# Altium PCB TINYMODULE-V3.PcbDoc (part 2 of 2)
Units mil, origin at the board's own origin, x right, y up, seen from the top; angles counter-clockwise.
Board outline 838.58 x 1232.28 mil, 6 copper layers (Top Layer, GND, Mid-Layer 1, Mid-Layer 2, PWR, Bottom Layer), stack 54.97 mil thick; 84 components, 63 nets, 426 pads, 262 vias.
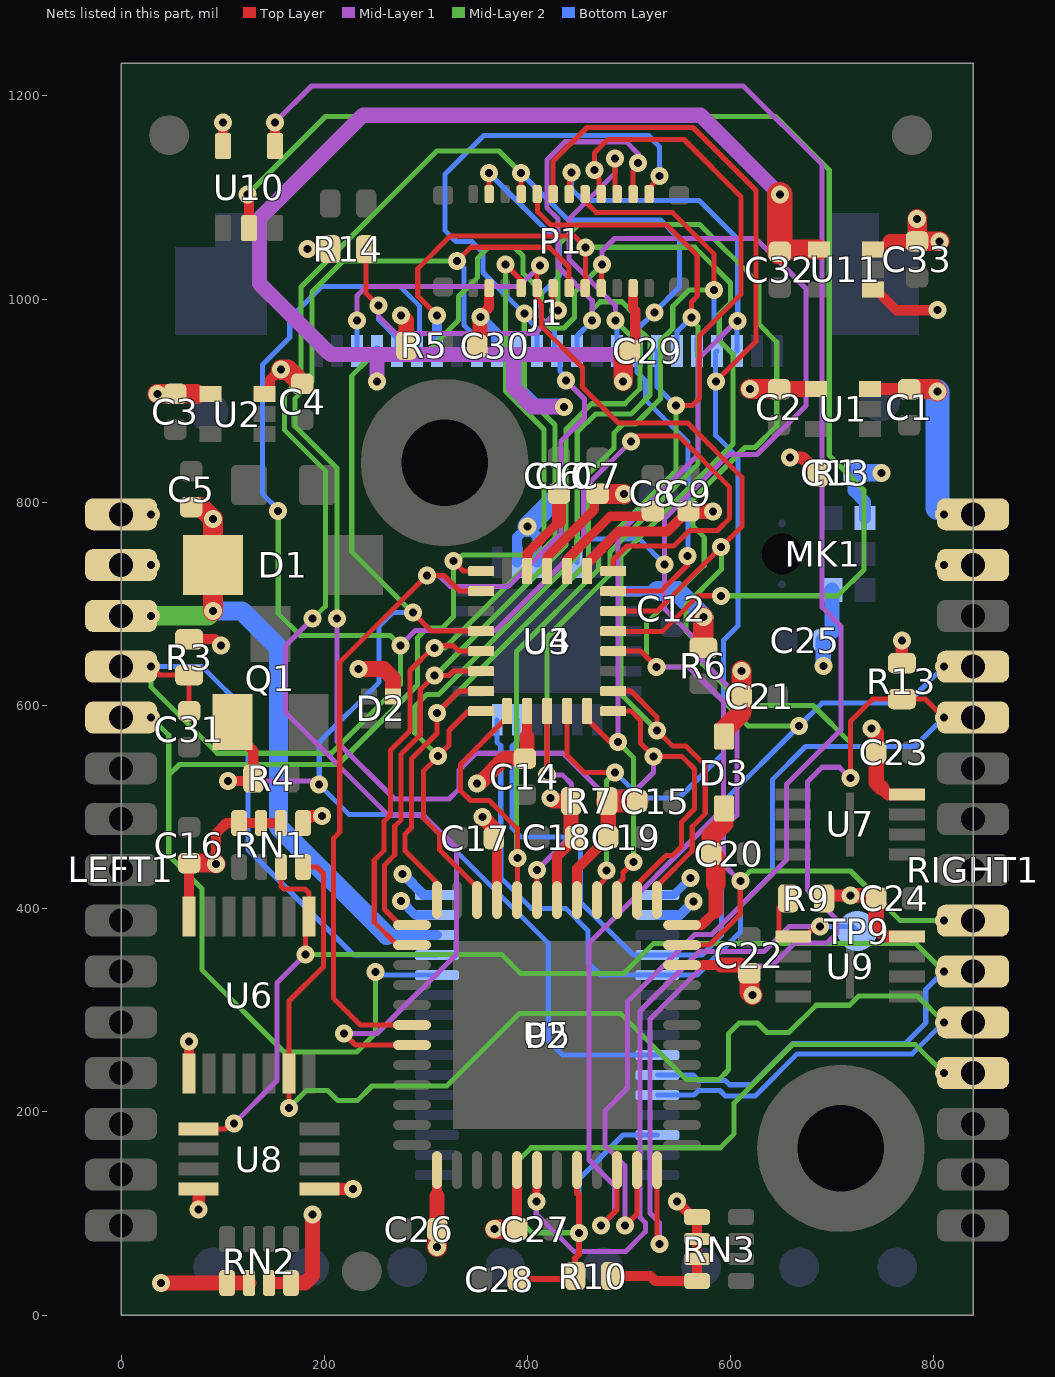
[diagram p6: the nets of this part, all layers, seen from the top]

## Via types
v1: diameter 17.72, hole 7.87, Top Layer to Bottom Layer, tented both sides, 262 vias

## Nets (pads, with @x,y where several pads share a name; then routed paths per layer and width w, separated by ;. In a path a pad name is that pad's centre, name@x,y a point inside that pad or via, vN(x,y) a via of type N, cw(c..) or ccw(c..) an arc to the next point about the centre after c; other vN are vias at no path point) (continued)
NetU3_23: U3.23 U10.2 | length 1339.3
  Top Layer w5: U3.23@484.25,673.23 484.48,673 533,673 568,708 v1(590.64,708)
  Top Layer w9.84: v1(124.5,1102.98) 125.98,1101.5 U10.2@125.98,1069.89
  Mid-Layer 2 w5: v1(124.5,1102.98) 201.25,1179.73 644.22,1179.73 697,1126.96 697,846 731.09,811.91 731.09,733.66 705.43,708 v1(590.64,708)
PIX_RESET_N: C31.1 J1.6 LEFT1.4 P2.8 R3.2 U3.26 | length 2183.3
  Top Layer w5: v1(29.55,638.19) 37.81,629.93 R3.2@66.92,629.93 C31.1@66.92,594.49 ; U3.26@484.25,732.28 484.25,743.25 498,757 544,757 559.36,772.36 587.07,772.36 599,784.29 599,814.93 548.53,865.41 507.41,865.41 v1(502,860)
  Mid-Layer 1 w5: v1(274.82,658.96) 289.87,674 369,674 455,760 455,813 v1(502,860)
  Mid-Layer 2 w5: v1(29.55,638.19) 29.55,618.01 94.56,553 207,553 274.82,620.82 v1(274.82,658.96) 264.75,669.03 175.97,669.03 154.64,690.36 v1(154.64,791.27)
  Bottom Layer w5: v1(29.55,638.19) 79.81,638.19 125,593 125,458.19 228.85,354.34 P2.8@310.83,354.33 ; v1(154.64,791.27) 154.64,792.84 139,808.48 139,935.12 166,962.12 166,981 197.26,1012.26 274.72,1012.26 293.9,993.08 293.9,959.54 291.34,956.98 J1.6@291.34,948.82
PIX_VDD28: C8.2 U3.2 | length 115.6
  Top Layer w9.24: U3.2@438.97,732.29 438.97,743.71 481.44,786.17 518.25,786.17 C8.2@523.42,791.35
PROG_FLASH: P2.21 RIGHT1.11 RN1.4 U6.6 | length 1375.1
  Top Layer w5: v1(165.35,204.06) 165.35,309.06 199.19,342.9 199.19,434.67 192.91,440.95 RN1.4@179.14,440.95
  Mid-Layer 2 w5: v1(165.35,204.06) 182.35,221.06 203.42,221.06 213.42,211.06 232.42,211.06 246.92,225.56 320.56,225.56 392.06,297.06 491.22,297.06 556.58,231.7 588.2,231.7 597.78,241.28 597.78,276.92 608.32,287.46 626.42,287.46 635.82,278.06 657.22,278.06 684.17,305 717,305 726.06,314.06 783.85,314.06 v1(809.72,288.19)
  Bottom Layer w5: P2.21@527.76,216.54 563.91,216.54 568.43,221.06 589.42,221.06 594.72,215.76 624.12,215.76 665.52,257.16 778.69,257.16 v1(809.72,288.19)
PROGN: P2.19 RIGHT1.10 RN1.3 U6.8 U8.5 | length 1355.7
  Top Layer w5: U8.5@76.38,183.08 102.2,183.08 107.58,188.46 v1(111,188.46) ; RN1.3@157.48,440.95 157.48,422.31 160.41,419.38 181.08,419.38 185.03,415.43 U6.8@185.04,392.12 181.42,388.5 v1(181.42,355.06) v1@181.42,354.28
  Mid-Layer 1 w5: v1(111,188.46) 153.42,230.88 153.42,327.06 v1(181.42,355.06)
  Mid-Layer 2 w5: v1(181.42,355.06) 374.42,355.06 393.42,336.06 494.42,336.06 524.27,365.91 782,365.91 v1(809.72,338.19)
  Bottom Layer w5: P2.19@527.76,236.22 563.25,236.23 568.42,231.06 594.42,231.06 598.72,226.76 620.45,226.76 661.15,267.46 771.93,267.46 792,287.53 792,320.46 v1(809.72,338.19)
PX_CLK: J1.17 P1.16 U3.25 U5.43 | length 1929.2
  Top Layer w5: v1(219.42,277.06) 230.73,265.75 U5.43@286.42,265.75 ; P1.16@393.7,1103.35 v1(393.7,1124.06) ; U3.25@484.25,712.6 531.73,712.6 558,738.87 558,746.71 v1(557.64,747.07)
  Mid-Layer 1 w5: v1(188.42,685.39) 162,658.96 162,593 263,492 298,492 330.18,459.82 330.18,355.28 251.96,277.06 v1(219.42,277.06)
  Mid-Layer 2 w5: v1(188.42,685.39) 188.75,685.39 201,697.63 201,831 161,871 161,906.14 177,922.14 177,1012 310.73,1145.73 372.03,1145.73 v1(393.7,1124.06)
  Bottom Layer w5: v1(393.7,1124.06) 439.76,1078 530.86,1078 549.72,1059.14 549.72,1011.85 v1(524.92,987.06) 507.87,970.01 J1.17@507.87,948.82 507.87,928.13 516.02,919.98 516.02,900.98 557.93,859.07 557.93,747.36 v1(557.64,747.07)
PX_FV: J1.7 P1.5 U3.20 U5.25 | length 1261.3
  Top Layer w5: v1(311.02,984.06) 292,1003.08 292,1030 324,1062 446,1062 v1(457,1051) 457,1011.13 P1.5@456.69,1010.83 ; U3.20@484.25,614.17 501.82,614.18 527.56,588.44 v1(527.56,575.48) 543.05,560 556,560 574.92,541.08 574.92,493.56 562.12,480.76 562.12,456.95 527.56,422.39 U5.25@527.56,408.47
  Mid-Layer 2 w5: v1(457,1051) 564.62,1051 599.78,1015.83 599.78,996.52 588.72,985.46 588.72,959.36 602.32,945.76 602.32,857.32 492,747 492,611.05 v1(527.56,575.48)
  Bottom Layer w10: J1.7@311.02,948.82 v1(311.02,984.06)
PX_LV: J1.9 P1.6 U3.19 U5.26 | length 1540.7
  Top Layer w5: v1(330.62,1037.46) 344.22,1051.06 421.42,1051.06 440.94,1031.54 P1.6@440.95,1010.83 ; U3.19@484.25,594.49 502,594.49 511.21,585.29 511.21,562.79 v1(524,550) 551.86,550 564.42,537.43 564.42,498.06 551.52,485.16 551.52,461.16 542.86,452.49 536.46,452.49 533.3,449.33 510.3,426.33 510.3,425.98 507.87,423.56 U5.26@507.87,408.47
  Mid-Layer 1 w5: v1(212.6,685.39) 212.6,564.4 269,508 322.64,508 332.78,518.13 332.78,536.42 349.36,553 434.77,553 473.02,514.76 504.76,514.76 524,534 v1(524,550)
  Mid-Layer 2 w5: v1(212.6,685.39) 212.6,833.54 171,875.14 171,902 188,919 188,1007 218.46,1037.46 v1(330.62,1037.46)
  Bottom Layer w5: v1(330.62,1037.46) 337.38,1030.7 337.38,974.41 346.99,964.8 346.99,952.22 J1.9@350.39,948.82
PXD0: J1.19 P1.17 U3.16 U5.31 | length 1028.7
  Top Layer w5: v1(409.28,437.98) 409.36,437.89 409.36,408.56 U5.31@409.45,408.47 ; P1.17@409.45,1103.35 410,1102.8 410,1086 423,1073 537,1073 567.07,1042.93 567.07,1002.87 561.42,997.23 v1(561.42,982.06) ; v1(419.14,531.77) 419.14,594.33 U3.16@419.29,594.49
  Mid-Layer 1 w5: v1(409.28,437.98) 443.42,472.13 443.42,522.63 434.28,531.77 v1(419.14,531.77)
  Mid-Layer 2 w5: v1(419.14,531.77) 419.14,666.83 481,728.69 481,751 568,838 568,972.77 561.42,979.35 v1(561.42,982.06)
  Bottom Layer w5: J1.19@547.24,948.82 547.24,967.88 v1(561.42,982.06)
PXD1: J1.21 P1.18 U3.17 U5.28 | length 1253.6
  Top Layer w5: P1.18@425.2,1103.35 425.2,1135.59 458.61,1169 563,1169 625,1107 625,958.47 v1(585.58,919.06) ; U3.17@438.97,594.49 438.97,551.08 455.8,534.26 v1(486.28,534.26) ; U5.28@468.5,408.47 468.5,421.32 475.26,428.08 475.26,435.38 v1(477.69,437.82)
  Mid-Layer 2 w5: v1(477.69,437.82) 477.69,525.67 v1(486.28,534.26)
  Bottom Layer w5: v1(486.28,534.26) 511.48,509.06 549.06,509.06 593,553 593,664.24 607,678.24 607,844.08 585.21,865.87 585.21,918.69 v1(585.58,919.06) 585.21,919.43 585.21,947.42 J1.21@586.61,948.82
PXD2: J1.22 P1.19 U3.18 U5.27 | length 1014
  Top Layer w5: P1.19@440.95,1103.35 441.56,1103.96 441.56,1123.25 v1(443.13,1124.83) ; U3.18@458.66,594.49 458.66,586.62 481.28,564 v1(489,564) ; U5.27@488.19,408.47 488.19,423.83 493.92,429.56 493.92,435.56 v1(504.42,446.06)
  Mid-Layer 1 w5: v1(489,564) 489,768 568,847 568,940.75 605.68,978.43 v1(606.93,978.43)
  Mid-Layer 2 w5: v1(489,564) 504.42,548.58 v1(504.42,446.06)
  Bottom Layer w5: v1(443.13,1124.83) 443.13,1108.66 454.79,1097 569,1097 606.93,1059.07 v1(606.93,978.43) ; J1.22@606.3,948.82 v1@606.3,979.06
PXD3: J1.20 P1.20 U3.12 U5.36 | length 1071
  Top Layer w5: U5.36@311.02,408.47 311.02,425.47 279.42,457.07 279.42,473.36 285.92,479.86 285.92,547.56 310.92,572.56 v1(310.92,592.56) 332.54,614.18 U3.12@354.33,614.17 ; P1.20@456.69,1103.35 458.92,1101.12 458.92,1094.07 467.57,1085.41 542.59,1085.41 583.42,1044.58 v1(583.42,1009.06)
  Mid-Layer 2 w5: v1(310.92,592.56) 460,741.63 460,828 485,853 485,868 494,877 506.19,877 531,901.81 531,959 543,971 543,992.73 559.32,1009.06 v1(583.42,1009.06)
  Bottom Layer w5: J1.20@566.93,948.82 566.93,961.57 583.42,978.06 v1(583.42,1009.06)
PXD4: J1.18 P1.21 U3.14 U5.32 | length 1268.7
  Top Layer w5: U3.14@379.92,594.49 379.92,588.16 334.07,542.3 334.07,516.18 343.79,506.46 362.26,506.46 390,478.72 390,408.7 U5.32@389.76,408.47 ; P1.21@472.44,1103.35 470.22,1105.57 470.22,1118.99 465.76,1123.45 465.76,1143.76 479,1157 554,1157 610,1101 610,1004.63 569.23,963.86 569.23,902.49 562.19,895.46 546.13,895.46 v1(546.03,895.37)
  Mid-Layer 2 w5: v1(390,450) 389.07,450.93 389.07,653.07 470,734 470,755 546.03,831.03 v1(546.03,895.37)
  Bottom Layer w5: J1.18@527.56,948.82 527.56,913.72 545.91,895.37 v1(546.03,895.37)
  other v1: 465.76,1126.89
PXD5: J1.16 P1.22 U3.11 U5.37 | length 1059.3
  Top Layer w5: U5.37@286.42,383.86 274.5,383.86 259.22,399.14 259.22,442.86 269.37,453.01 269.37,481.2 275.32,487.15 275.32,551.76 294.42,570.86 294.42,615.56 v1(308.32,629.46) 322.77,629.46 327.17,633.86 U3.11@354.33,633.86 ; v1(486.28,1138.49) 486.3,1105.24 P1.22@488.19,1103.35
  Mid-Layer 1 w5: v1(486.28,1138.49) 486.3,1124.3 440.64,1078.64 440.64,1039.36 486.42,993.58 v1(486.42,978.96)
  Mid-Layer 2 w5: v1(308.32,629.46) 309.46,629.46 438,758 438,872 463,897 495.77,897 510.53,911.77 510.53,954.85 v1(486.42,978.96)
  Bottom Layer w5: v1(486.42,978.96) 488.19,977.19 J1.16@488.19,948.82
PXD6: J1.14 P1.23 U3.13 U5.34 | length 1230.7
  Top Layer w5: U5.34@350.39,408.47 350.39,421.1 313.62,457.87 313.62,472.85 297.77,488.71 297.77,535.7 322.84,560.77 322.84,575.48 341.84,594.49 U3.13@354.33,594.49 ; P1.23@503.94,1103.35 503.94,1125.5 509,1130.56 v1(509,1134)
  Mid-Layer 1 w5: v1(463.7,978.96) 463.7,998.42 430,1032.13 430,1079 419,1090 419,1137 436.85,1154.85 497.07,1154.85 509,1142.92 v1(509,1134)
  Mid-Layer 2 w5: v1(312.12,550.06) 289,573.18 289,599 301,611 313,611 449,747 449,868.86 467.14,887 502,887 520.53,905.53 520.53,959.25 505.92,973.86 505.92,984.46 493.02,997.36 471.52,997.36 463.68,989.52 v1@463.68,979.3 ; v1(463.7,978.96) v1@463.7,979.28
  Bottom Layer w5: J1.14@448.82,948.82 448.82,963.76 463.7,978.64 v1(463.7,978.96) v1@464.02,979.28
PXD7: J1.12 P1.24 U3.10 U5.38 | length 1289.8
  Top Layer w5: U5.38@286.42,364.17 271.65,364.18 249.19,386.64 249.19,447.76 258.92,457.49 258.92,486.19 265.02,492.29 265.02,555.65 284.42,575.05 284.42,634.55 306.67,656.79 v1(308.67,656.79) ; v1@308.67,658.8 327.17,658.8 332.42,653.54 U3.10@354.33,653.54 ; P1.24@519.69,1103.35 521.91,1105.57 521.91,1111.51 530,1119.6 v1(530,1121)
  Mid-Layer 2 w5: v1(308.67,656.79) 318.79,656.79 390,728 427,765 427,876 396.81,906.19 v1(396.81,985.66)
  Bottom Layer w5: J1.12@409.45,948.82 409.45,971.27 396.81,983.91 v1(396.81,985.66) 356.17,1026.3 356.17,1045.61 345.1,1056.68 329.7,1056.68 318.62,1067.76 318.62,1122.62 357,1161 519,1161 530,1150 v1(530,1121)
RESET_N: C28.1 P2.25 R10.2 RIGHT1.12 U5.8 | length 929.5
  Top Layer w5.91: C28.1@390.54,35.44 443.82,35.44 R10.2@446.85,38.47 446.85,56.21 450.46,59.82 v1(450.46,81.04) 450.46,118.02 448.82,119.66 U5.8@448.82,142.72
  Mid-Layer 2 w5: v1(450.46,81.04) 404.44,81.04 391.42,94.06 391.42,152.42 403.7,164.7 589.72,164.7 603.42,178.4 603.42,208.76 660.94,266.28 771.34,266.28 771.46,266.16 781.75,266.16 v1(809.72,238.19)
  Bottom Layer w5: v1(450.46,81.04) 450.46,133.54 494.09,177.17 P2.25@527.76,177.17
SENSOR_CLK: J1.13 P1.14 U3.7 U5.42 | length 1200
  Top Layer w5: U5.42@286.42,285.43 235.44,285.44 209.19,311.69 209.19,469.46 215.22,475.49 215.22,642.51 300.72,728 v1(301,728) 317.72,728 333.12,712.6 U3.7@354.33,712.6 ; P1.14@362.21,1103.35 v1(362.2,1124.06)
  Mid-Layer 1 w5: v1(301,728) 313,728 324,717 381,717 433,769 433,860 456,883 456,901.78 v1(437.82,919.96)
  Bottom Layer w5: v1(362.2,1124.06) 431.63,1054.63 431.63,1023.26 413,1004.63 413,992.6 413.17,992.43 413.17,981.7 423.22,971.64 426.46,968.41 426.46,951.49 431.82,946.13 431.82,929.25 437.82,923.24 v1(437.82,919.96)
SENSOR_INTR: LEFT1.5 P1.9 P2.10 U3.6 | length 1471.9
  Top Layer w5: v1(327,742) 336.71,732.29 U3.6@354.33,732.28 ; v1(378.42,1034.06) 393.7,1018.78 P1.9@393.7,1010.83
  Mid-Layer 2 w5: v1(29.55,588.19) 46.92,570.82 46.92,531.39 ; v1(250.22,337.76) 250.22,277.26 231.97,259 160.38,259 79.42,339.96 79.42,419.93 46.92,452.43 46.92,531.39 ; v1(378.42,1034.06) 378.42,909.58 416.29,871.71 416.29,769.29 395,748 336.29,748 330.29,742 v1(327,742) 327,687.19 315.81,676 301,676 291.72,666.72 291.72,620.12 213.59,541.99 57.52,541.99 46.92,531.39
  Bottom Layer w5: v1(250.22,337.76) 253.33,334.65 P2.10@310.83,334.65
SENSOR_LED: P1.4 P2.17 Q1.1 R4.1 RIGHT1.9 U3.9 U4.11 U5.23 | length 3062.3
  Top Layer w5: v1(287.22,691.37) 305.43,673.15 354.25,673.15 U3.9@354.33,673.23 ; P1.4@472.44,1010.83 472.93,1011.32 472.93,1033.43 v1(473.42,1033.93) ; U5.23@552.17,364.17 579.23,364.17 609.42,394.37 v1(609.42,427.06)
  Top Layer w10: v1(105,525.63) 127.72,525.63 R4.1@130.11,528.02 130.11,555.3 109.6,575.82 Q1.1@109.6,583.69
  Mid-Layer 1 w5: v1(105,525.63) 187.93,525.63 191.56,522 v1(195,522) ; v1(473.42,1033.93) 473.42,1047.42 485.58,1059.58 624.75,1059.58 674,1010.32 674,895 626,847 598,847 534.93,783.93 v1(534.93,739) 534.93,695.23 564,666.16 564,652.26 606,610.26 606,492 593,479 593,443.48 v1(609.42,427.06)
  Mid-Layer 2 w5: v1(287.22,691.37) 286.92,691.37 227,751.28 227,924.48 243.57,941.06 293.82,941.06 332,979.23 332,1002.53 350.92,1021.46 350.92,1040.36 361.42,1050.86 387.22,1050.86 395.72,1042.36 395.72,1025.36 413.64,1007.44 413.64,981.22 423.22,971.64 436,971.64 446.36,982 446.36,1006.86 v1(473.42,1033.93) ; v1(609.42,427.06) 619.37,437 718,437 766.81,388.19 v1(809.72,388.19)
  Bottom Layer w5: v1(287.22,691.37) 267.41,691.37 254,677.95 254,623 195,564 v1(195,522) 224.43,492.57 293.9,492.57 420.42,366.05 420.42,270.06 434.57,255.91 P2.17@527.75,255.91 ; U4.11@448.82,740.95 448.82,761.82 451,764 509.93,764 v1(534.93,739)
SENSOR_MISO: U5.11 U10.4 | length 1834.7
  Top Layer w5: v1(495.8,87.95) 495.9,88.06 496.42,88.06 507.87,99.51 U5.11@507.87,142.72
  Top Layer w9.84: U10.4@151.58,1150.6 v1(151.57,1174.06)
  Mid-Layer 1 w5: v1(151.57,1174.06) 187.3,1209.78 612.36,1209.78 690,1132.14 690,696.68 708.42,678.26 708.42,575.96 655.02,522.56 655.02,448.16 581.62,374.76 564.82,374.76 498.42,308.36 498.42,223.42 476.42,201.42 476.42,166.58 495.8,147.2 v1(495.8,87.95)
SENSOR_MOSI_SDA: J1.3 P1.8 P2.9 R13.1 RIGHT1.5 U3.24 U4.24 U5.12 | length 2860.2
  Top Layer w5: v1(412.42,1033.06) 409.44,1030.08 P1.8@409.45,1010.83 409.44,999.95 413.64,995.75 413.64,973.34 454.22,932.76 454.22,916.78 454.23,913.15 489.38,878 557.76,878 611,824.76 611,776.18 590.82,756 v1(590.64,756) 527.64,693 484.34,693 U3.24@484.25,692.91 ; U5.12@527.56,142.72 527.56,72.44 v1(530,70) ; v1(717.72,528.46) 717.72,584.36 739.71,606.35 791.56,606.35 v1(809.72,588.19)
  Mid-Layer 1 w5: v1(232.28,979.06) 232.28,1003.32 241.52,1012.56 391.92,1012.56 v1(412.42,1033.06) ; v1(530,70) 530,91.02 520.64,100.38 520.64,291.27 573.13,343.76 640.72,343.76 663.16,366.2 694.8,366.2 704.39,375.78 704.39,389.34 675.42,418.3 675.42,524.76 689.92,539.26 706.92,539.26 v1(717.72,528.46)
  Mid-Layer 2 w5: v1(590.64,756) 591,755.64 591,734 556,699 556,673 572,657 572,641 613,600 681,600 717.72,563.28 v1(717.72,528.46)
  Bottom Layer w5: J1.3@232.28,948.82 v1(232.28,979.06) ; U4.24@370.08,585.83 370.08,563.92 373.64,560.36 373.64,430.36 403.65,400.35 437.65,400.35 459.42,378.58 459.42,347.06 471.83,334.65 P2.9@527.76,334.65 566.96,334.65 609.69,377.38 609.69,402.83 641,434.13 641,527 673.66,559.66 781.19,559.66 v1(809.72,588.19)
SENSOR_SCK_SCL: J1.5 P1.7 P2.7 R14.1 RIGHT1.4 U3.22 U4.23 U5.10 | length 2843.5
  Top Layer w5: R14.1@241.15,1049.07 241.14,1005.74 v1(253.42,993.46) ; P1.7@425.2,1010.83 425.24,1010.78 425.24,996.98 430,992.22 v1(430,988.78) ; v1(472.42,88.06) 488.19,103.83 U5.10@488.19,142.72 ; U3.22@484.25,653.54 511.46,653.54 v1(527,638)
  Mid-Layer 1 w5: v1(253.42,993.46) 253.42,983.2 270.39,966.24 407.47,966.24 v1(430,988.78) ; v1(472.42,88.06) 485.42,101.06 485.42,127.58 460.42,152.58 460.42,366.06 593,498.63 593,604 559,638 v1(527,638)
  Mid-Layer 2 w5: v1(430,988.78) 430,1053 450.42,1073.42 569.58,1073.42 628,1015 628,974.98 645.32,957.66 645.32,875.32 624,854 614,854 563,803 563,776.49 574,765.49 574,738 517,681 517,648 v1(527,638) 559,638 617.24,579.76 v1(667.32,579.76)
  Bottom Layer w5: v1(253.42,993.46) 253.42,980.06 271.65,961.83 J1.5@271.65,948.82 ; U4.23@389.76,585.83 389.77,564.77 385,560 385,479.37 393.93,470.44 442.59,470.44 452.32,460.7 452.32,406.16 504.14,354.34 571.71,354.34 590.82,373.45 590.82,503.26 v1(667.32,579.76) 690.02,602.46 773.99,602.46 v1(809.72,638.19)
SRAM_SSN: R9.1 TP9.1 U5.6 U9.1 | length 727.4
  Top Layer w5: R9.1@656.57,410.2 647.42,401.05 647.42,376.8 651.42,372.8 U9.1@661.69,372.8 673.31,372.8 680.64,380.13 685.6,380.13 v1(688.03,382.56)
  Top Layer w7.87: v1(408.62,112.06) 409.07,112.51 409.07,142.34 U5.6@409.45,142.72
  Mid-Layer 1 w5: v1(408.62,112.06) 408.62,99.75 445.9,62.47 496.47,62.47 516,82 516,90.88 510.64,96.24 510.64,299.28 569.22,357.86 632.92,357.86 657.62,382.56 v1(688.03,382.56)
  Bottom Layer w5: v1(688.03,382.56) 719.88,382.56 TP9.1@724.42,378.02
VCCPLL: C15.1 C19.1 R7.1 U5.29 | length 142.4
  Top Layer w10: U5.29@448.82,408.47 448.82,439.55 473.73,464.47 474.37,464.47 C19.1@479.41,469.5 ; C19.1@479.41,469.5 C19.1@479.41,470.48 C19.1@479.41,469.5
  Top Layer w15: R7.1@478.35,505.91 479.4,504.85 C19.1@479.4,469.5
  Top Layer w22.05: R7.1@478.35,505.91 C15.1@507.87,505.91
VDD12: C3.2 C18.1 C27.1 LEFT1.2 P2.4 R7.2 U2.4 U5.5 U5.30 | length 303.8
  Top Layer w10: C27.1@389.77,84.65 U5.5@389.76,142.72 ; U5.30@429.13,408.47 429.13,451.77 446.85,469.48 C18.1@446.85,470.48
  Top Layer w12: C27.1@388.42,85.99 C27.1@389.77,84.65
  Top Layer w14.75: 74.22,906.42 U2.4@87.87,906.42
  Top Layer w15: v1(422.42,509.06) 425.57,505.91 R7.2@442.91,505.91 442.91,475.4 446.85,471.46 C18.1@446.85,470.48
  Top Layer w19: C3.2@53.42,906.77 73.87,906.77 74.22,906.42 ; v1(367.42,84.65) C27.1@389.77,84.65
  Top Layer w19.08: v1(35.75,906.77) C3.2@53.42,906.77
  Bottom Layer w8.84: v1(275.59,407.75) 289.63,393.71 P2.4@310.83,393.71
  other v1: 29.55,738.19
VDD15: C6.2 U3.4 | length 89
  Top Layer w9.24: U3.4@399.61,732.28 399.61,749.61 430.83,780.83 430.83,781.17
  Top Layer w13.78: 430.83,781.17 431,781.35 C6.2@431,808.28
VDD18: C2.2 C7.1 C10.1 C12.1 C13.1 C14.1 C17.1 C22.1 C23.1 C24.1 C25.1 C30.1 J1.10 MK1.2 MK1.5 P1.11 P2.3 R3.1 R5.1 R6.2 R9.2 R10.1 R13.2 R14.2 RIGHT1.2 RN1.5 RN2.7 RN2.8 RN3.5 RN3.6 RN3.7 RN3.8 U1.4 U3.3 U3.15 U4.8 U4.9 U4.13 U5.22 U5.33 U6.1 U7.8 U8.1 U9.8 U10.5 | length 1707.4
  Top Layer w8.84: U5.22@552.17,344.49 573.81,344.49
  Top Layer w9.24: U3.3@419.29,732.28 419.59,732.59 419.59,746.59 465.52,792.52 465.52,804.8 C7.1@469,808.28
  Top Layer w9.84: U10.5@100.39,1150.6 v1(100.39,1174.06) ; 573.81,344.49 590.42,344.49
  Top Layer w10: U6.1@66.92,237.81 v1(66.92,269.06) ; R3.1@66.92,665.36 92.12,665.36 v1(98.42,659.06) ; v1(183.42,1049.07) R14.2@205.71,1049.07 ; v1@353.22,982.08 353.22,983.04 362.21,992.02 P1.11@362.21,1010.83 ; C17.1@366.88,470.48 370.08,467.28 U5.33@370.08,422.17 ; 399.6,569.24 U3.15@399.61,594.49 ; R10.1@482.29,38.47 521.02,38.47 526.02,33.47 RN3.8@566.93,33.47 RN3.5@566.93,96.46 562.01,96.46 559.13,99.33 559.13,99.87 v1(547,112)
  Top Layer w11.81: RN2.7@145.67,31.5 RN2.8@167.33,31.5 ; RN1.5@179.14,484.26 185.93,491.06 v1(197.72,491.06) ; 743.18,380.67 751.06,372.8 U9.8@773.5,372.8 ; 748.56,518.91 755.08,512.41 U7.8@773.5,512.41
  Top Layer w12: U8.1@195.27,124.02 v1(228.42,124.02) ; R9.2@692.01,410.2 694.81,413 v1(718,413) ; R13.2@768.42,641.78 v1(768.42,664.06)
  Top Layer w15: RN2.8@167.33,31.5 180.86,31.5 188.42,39.06 v1(188.42,99.06) ; v1(275.7,984.06) 280.7,979.06 R5.1@280.7,954.06 ; v1(350.42,523.43) 352.59,523.43 376.93,547.77 C14.1@397.41,547.77 399.6,549.96 399.6,569.24 ; C30.1@350.71,954.06 353.22,956.57 v1@353.22,982.08 ; v1(355.52,490.06) 366.88,478.7 C17.1@366.88,470.48 ; 590.42,344.49 609.31,344.49 617.45,336.35 C22.1@618.43,336.35 ; v1(718,413) 741.37,413 743.18,411.19 743.18,380.67 ; v1(738.52,577.56) 743.18,572.9 743.18,524.29 748.56,518.91
  Top Layer w15.75: C2.2@641.73,911.42 U1.4@684.05,911.42
  Top Layer w19.68: C22.1@618.43,336.35 618.43,318.05 v1(621.42,315.06) ; v1(619.09,911.42) C2.2@641.73,911.42
  Top Layer w20: C7.1@469,808.28 C7.1@469,808.28 494.76,808.24 v1(495,808) ; R6.2@573,656.72 v1(573,687)
  Bottom Layer w9.84: P2.3@527.75,393.71 550.07,393.71 v1(563.42,407.06)
  Bottom Layer w10: v1(353.74,982.6) 369.17,967.17 369.17,949.73 J1.10@370.08,948.82 ; U4.8@389.76,740.95 389.77,765.77 v1@400,776 ; v1(399.93,776.07) v1@400,776 ; U4.9@409.45,740.95 409.45,766.55 v1@400,776 ; U4.13@496.85,712.6 527.82,712.6 527.97,712.75
  Bottom Layer w12: C13.1@721.14,829.05 721.14,811.33 732.12,800.35 MK1.5@732.13,784.49
  Bottom Layer w15: v1(691.14,639.06) C25.1@691.14,664.05 699.76,672.67 MK1.2@699.76,713.62
  Bottom Layer w17: C13.1@721.14,829.05 v1(748.42,829.06)
  Bottom Layer w20: v1@400,776 429.98,805.98 429.98,808.24 430.02,808.28 C10.1@431,808.28 ; 527.97,712.75 541.97,712.75 542.04,712.68 547.32,712.68 v1(573,687)
  other v1: 809.72,738.19
VDD28: C29.1 C32.1 J1.4 J1.11 P1.2 U11.4 | length 1480.4
  Top Layer w10: C29.1@500.7,949.06 506.02,954.38 506.02,988.86 503.93,990.95 P1.2@503.94,1010.83
  Top Layer w19: v1(494.17,919.01) 494.17,941.55 500.7,948.07 C29.1@500.7,949.06
  Top Layer w20: C32.1@648.42,1046.77 650.4,1048.75 U11.4@686.85,1048.75
  Top Layer w25: v1(648.28,1103) 648.42,1102.85 C32.1@648.42,1046.77
  Mid-Layer 1 w15: v1(251.97,919.06) 251.97,945.43 ; v1(436,894) 405,894 386.14,912.86 386.14,945.43 ; v1(494.17,919.01) 494.17,936.64 485.39,945.43 386.14,945.43 ; v1(648.28,1103) 570.28,1181 238,1181 136.17,1079.17 136.17,1015.25 205.99,945.43 251.97,945.43 ; 251.97,945.43 386.14,945.43
  Bottom Layer w10.81: v1(251.97,919.06) J1.4@251.97,948.82
  Bottom Layer w15: J1.11@389.76,940.57 389.76,912.12 407.36,894.52 435.48,894.52 v1(436,894)
VDD33: C1.2 C4.2 C9.1 C21.2 C33.2 D2.4 D3.A P2.1 R1.2 RIGHT1.1 U1.3 U2.3 U3.1 U11.1 U11.3 | length 767.1
  Top Layer w10: U2.3@141.02,906.42 143.71,906.42 146.58,909.29 146.58,920.78 156.3,930.49 v1(157.51,930.49) ; U3.1@458.66,732.28 458.66,740 489.97,771.31 537.4,771.31 557.44,791.35 C9.1@558.42,791.35 ; U11.1@740,1009.38 742.9,1009.38 763.22,989.06 v1(803.42,989.06)
  Top Layer w12: v1(658.42,844.06) 670.71,844.06 R1.2@685.71,829.06 ; U1.3@737.2,911.42 C1.2@775.58,911.42 ; U11.3@740,1048.75 748.91,1048.75 756.94,1056.78
  Top Layer w14.75: 756.94,1056.78 C33.2@783.42,1056.77
  Top Layer w15: C9.1@558.42,791.35 558.57,791.21 582.5,791.21 v1(582.64,791.07)
  Top Layer w15.75: v1(233.72,636.16) 258.12,636.16 267.71,626.57 D2.4@267.71,609.05
  Top Layer w19.08: v1(783.42,1079.07) C33.2@783.42,1056.77 v1(805.71,1056.78)
  Top Layer w19.68: C1.2@775.58,911.42 801.06,911.42 v1(803.42,909.06)
  Top Layer w20: v1(157.51,930.49) 163.94,930.49 171.85,922.58 171.85,922.37 177.44,916.78 C4.2@178.42,916.78 ; D3.A@593.42,569.48 593.42,576.31 610.67,593.56 610.67,609.03 C21.2@610.71,609.07 v1(610.71,634.06)
  Bottom Layer w8: P2.1@527.76,413.39 543.75,413.39 v1(560.42,430.06)
  Bottom Layer w17: RIGHT1.1@803.42,794.49 v1(809.72,788.19)
  Bottom Layer w23.62: RIGHT1.1@803.42,794.49 v1(803.42,909.06)
VDD_IR_LED: C5.1 D1.A LEFT1.3 P2.6 | length 635.8
  Top Layer w19.68: C5.1@68.89,795.28 78.74,795.28 v1(90.55,783.47) v1(90.55,692.92)
  Mid-Layer 2 w19: v1(29.55,688.19) 85.82,688.19 v1(90.55,692.92)
  Bottom Layer w9.84: 281.49,374.02 P2.6@310.83,374.02
  Bottom Layer w11.81: 261.5,374.02 281.49,374.02
  Bottom Layer w19: v1(90.55,692.92) 119.08,692.92 155,657 155,480.51 261.5,374.02
VDDIO_2: C16.1 C26.1 LEFT1.1 P2.2 RN1.6 RN1.7 RN1.8 RN2.5 RN2.6 U5.1 U6.14 U8.8 | length 402.5
  Top Layer w9.84: U6.14@66.93,392.12 C16.1@66.92,444.89 ; RN1.8@116.14,484.26 RN1.6@157.48,484.26 ; 311.02,117.06 U5.1@311.02,142.72
  Top Layer w10: v1(93.42,444.06) 93.42,474.06 103.62,484.26 RN1.8@116.14,484.26
  Top Layer w12: v1(76.38,104.06) U8.8@76.38,124.02
  Top Layer w15: v1(39.5,31.5) RN2.5@104.33,31.5 RN2.6@125.99,31.5 ; C26.1@311.03,84.65 311.02,117.06
  Top Layer w19: C16.1@66.92,444.89 92.59,444.89 v1(93.42,444.06)
  Top Layer w19.68: v1@311.02,67.02 C26.1@311.03,84.65
  Bottom Layer w10: v1(277.12,434.36) 298.09,413.39 P2.2@310.83,413.39
  other v1: 311,67 29.55,788.19
VPP: C20.1 D3.K U5.24 | length 147
  Top Layer w9.84: U5.24@552.17,383.86 571.42,383.86 585.42,397.87
  Top Layer w15: 585.42,397.87 585.42,424.06
  Top Layer w19: 585.42,424.06 585.42,449.34 C20.1@580.7,454.06 580.7,471.33 593.42,484.05 D3.K@593.42,498.61
pads on no net: FD1.1 FD2.1 FD3.1 FD4.1 FD5.1 FD6.1 J1.1 J1.23 J1.24 MK1. P1.FN1 P1.FN2 P1.FN3 P1.FN4 U1.5 U2.5 U4.1 U4.2 U4.3 U4.4 U4.5 U4.6 U4.7 U4.14 U4.15 U4.16 U4.17 U4.19 U4.21 U4.22 U4.25 U6.3 U6.5 U6.9 U7.9 U9.9 U11.5

## Polygon pours and split planes (outlines as drawn)
GND_SIGNAL on Top Overlay (solid): 830.71,1223.81 775.59,1223.81 830.71,1168.69
VDD18 on PWR "VDD18_L05_P039" (solid, remove dead copper, pour order 39): -0.02,1232.42 -0.02,-0.01 0.11,-0.13 838.61,-0.13 838.61,1232.28 838.54,1232.36
VDD12 on PWR "VDD12_L05_P037" (solid, remove dead copper, pour order 37): 0.21,947.9 53.32,947.9 75,926.22 75,530.18 147.66,457.52 363.52,457.52 385.97,479.97 385.97,539.97 399.71,553.71 438.29,553.71 452.8,539.2 452.8,434.97 390,372.17 390,85 372.38,67.38 330.62,67.38 313.19,84.81 313.19,338.34 311.17,338.34 280.78,368.73 -0.35,368.73
VDDIO_2 on Mid-Layer 1 "VDDIO_2_L03_P036" (solid, remove dead copper, pour order 36): 136.59,475.14 75.81,535.92 75.81,795.05 48.32,822.53 0.38,822.53 0.38,466.45 0.13,1.63 -0.35,1.15 350.08,0.37 350.08,53.49 324.11,79.46 126.95,79.46 56,150.41 56,332 102.3,378.3 279.28,378.3 295.01,394.03 295.01,440.11 259.98,475.14
GND_SIGNAL on GND "GND_SIGNAL_L02_P035" (solid, remove dead copper, pour order 35): 0,1231 0,0 838,0 838,1232
VDD33 on Mid-Layer 2 "VDD33_L04_P040" (solid, remove dead copper, pour order 40): 523.41,417.41 523.41,391.07 540.21,374.27 838.7,374.27 838.7,1231.48 1.13,1231.48 1.39,562.64 1.8,562.24 197.15,562.24 258.68,623.92 258.68,648.22 249.15,657.92 168.08,657.92 137.53,688.47 137.53,893.53 169,925 169,1017 306,1154 528.55,1154 664.61,1017.94 664.61,892.56 571,799.08 571,780.3 602.34,748.96 602.34,699.07 581.52,678.24 581.52,643.67 615.5,609.69 683.31,609.69 709.91,583.09 709.91,547.09 695.18,547.09 676.66,565.6 602.34,565.6 583,546.26 583,477

## Other copper
Top Layer:
  text "LAYER 1 - TOP LAYER" at -373.81,-354.33 h86.61
Mid-Layer 1:
  text "LAYER 3 - MIDLAYER 1" at -373.81,-354.33 h86.61
Mid-Layer 2:
  text "LAYER 4 - MIDLAYER 2" at -373.81,-358.33 h86.61
GND:
  text "LAYER 2 - GROUND" at -263,-353 h86.61
PWR:
  text "LAYER 5 - PWR LAYER" at -373.81,-354.33 h86.61
Bottom Layer:
  text "LAYER 6- BOTTOM LAYER" at -398,-354 h86.61

## Silkscreen, mask and mechanical layers (free items; w line width, h text height)
Top Overlay:
  circle w10: c650.47,749.06 r28.55
  circle w10: c230.02,788.72 r5.57
  text "MIC" at 613.52,652.27 h80
  text "TOP OVERLAY" at -55,-353 h86.61
Bottom Overlay:
  circle w10: c161,382 r60
  lines w10: 120,343 199,422
  text "MIC" at 738.52,577.56 h80
  text "IMU" at 481.92,499.64 h80
  text "Pb" at 199,350.06 h100
  text "W" at 202,170 h150
  text "BOTTOM OVERLAY" at -174,-356 h86.61
Top Paste:
  text "TOP PASTE MASK" at -188,-358 h86.61
Bottom Paste:
  text "BOTTOM PASTE MASK" at -336,-351 h86.61
Top Solder:
  text "TOP SOLDER MASK" at -188,-351 h86.61
Bottom Solder:
  text "BOTTOM SOLDER MASK" at -325,-357 h86.61
FactoryNotes:
  text "20. PACKAGING OF FINISHED BOARDS TO BE MARKED WITH AN APPROVED Pb FREE LABEL." at 2081.1,2904.84 h59.06
  text "19. REMOVE ALL BURRS AND BREAK SHARP EDGES 0.015\" MAX." at 2081.1,2790.71 h59.06
  text "18. CERTIFICATE OF COMPLIANCE TO BE PROVIDED ON ALL SHIPMENTS." at 2081.1,2684.41 h59.06
  text "17. EACH LOT MUST INLCUDE ONE SOLDER SAMPLE." at 2081.1,2566.3 h59.06
  text "16. WARP OR TWIST OF BOARD SHALL NOT EXCEED 0.010\" PER INCH." at 2081.1,2452.13 h59.06
  text "15. ACCEPTABILITY CRITERIA TO BE PER IPC-A-600H CLASS 2." at 2081.1,2337.95 h59.06
  text "14. BOARDS TO BE 100% NETLIST TESTED FOR OPENS AND SHORTS." at 2081.1,2221.58 h59.06
  text "13. VENDORS UL ID, RECOGNIZED COMPONENT SYMBOL, 94V-0 RATING" at 2081.1,2101.73 h59.06
  text "PER UL796 AND DATE CODE TO APPEAR IN THIS AREA ONLY ON BOTTOM SIDE." at 2199.21,1991.5 h59.06
  text "12. SILK SCREEEN LEGEND TO BE WHITE, NON-CONDUCTIVE EPOXY INK." at 2081.1,1885.2 h59.06
  text "11. SURFACE FINISH TO BE ELECTROLESS NICKEL IMMERSION GOLD WITH 2-8 MICROINCH" at 2081.1,1770.59 h59.06
  text "GOLD OVER 100-320 MICROINCH NICKEL OVER ALL EXPOSED COPPER." at 2199.21,1656.85 h59.06
  text "10. APPLY SOLDER MASK (LIQUID PHOTO IMAGEABLE) OVER BARE COPPER, SOLDER MASK" at 2081.1,1538.7 h59.06
  text "TO BE PER IPC-SM-840, TYPE B, CLASS 3, COLOR: TRANSPARENT GREEN." at 2199.21,1424.57 h59.06
  text "9. UNLESS OTHERWISE SPECIFIED ALL HOLE DIMENSIONS APPLY AFTER PLATING.  ALL" at 2081.1,1303.27 h59.06
  text "PLATED THROUGH HOLES TO HAVE A MINIMUM OF 0.001\" COPPER." at 2199.21,1188.35 h59.06
  text "8. ALL HOLES SHALL BE LOCATED WITHIN 0.005\" DIAMETER TRUE POSITION.  LAYER TO" at 2081.1,1077.68 h59.06
  text "LAYER REGISTRATION SHALL BE WITHIN 0.006\"." at 2199.21,960 h59.06
  text "7. CONDUCTOR WIDTHS AND SPACING SHALL BE WITHIN +/- 20% OF ARTWORK ORIGINALS." at 2081.1,854.45 h59.06
  text "6. FABRICATE IN ACCORDANCE WITH IPC-6012B, CLASS II." at 2081.1,732.4 h59.06
  text "5. PLANE LAYERS TO BE 1.0 OZ COPPER FINISHED.  INTERNAL SIGNAL LAYERS" at 2081.1,616.26 h59.06
  text "TO BE 1.0 OZ COPPER FINISHED. OUTER SIGNAL  LAYERS TO BE 1.0 OZ COPPER START," at 2199.21,503.31 h59.06
  text "THEN PLATED AN ADDITIONAL 0.002\" +50% /- 20%." at 2199.21,396.38 h59.06
  text "FOLLOW IPC-6012 CLASS 3 TO CONTROL FINISHED COPPER THICKNESS." at 2199.21,278.27 h59.06
  text "4. MATERIAL:  LAMINATE (IT-180A OR EQUIV.) / PREPREG (IT-180ABS OR EQUAL.)" at 2081.1,158.78 h59.06
  text "MUST MEET RoHS ASSEMBLY PROCESS REQUIREMENTS. OVERALL BOARD THICKNESS" at 2199.21,32.84 h59.06
  text "TO BE 1.60 +/- 10%." at 2199.21,-77.4 h59.06
  text "3. FABRICATION DRAWING TAKES PRECEDENCE OVER ARTWORK AND/OR PURCHASE" at 2081.1,-189.25 h59.06
  text "ORDER(S)." at 5690.59,-191.57 h59.06
  text "2. TOLERANCE:  XX=+/- 0.25 mm [0.01'']." at 2081.1,-317.6 h59.06
  text "1. INTERPRET PER ASME Y14.5M-1994." at 2081.1,-427.44 h59.06
  text "FABRICATION DRAWING" at -320,-718 h86.61
BoardOutline:
  the board outline again, w4
Frame:
  drawing of 428 lines, arcs and shapes, not listed
  text "REVISIONS" at 8788.51,5843.4 h67.4
  text "ECO" at 6930.25,5658.36 h67.4
  text "REV" at 7331.82,5658.36 h67.4
  text "DESCRIPTION" at 8497.17,5658.36 h67.4
  text "APPVD" at 10725.52,5658.36 h67.4
  text "DATE" at 10136.55,5657.18 h67.4
  text "1A" at 7350.17,5477.02 h62.99
  text "INITIAL" at 7665.13,5477.02 h62.99
  text "00-00-2000" at 9948.59,5477.02 h62.99
  text "XXX" at 10775.36,5477.02 h62.99
  text "31-MAY-2019" at 9923,5313.63 h62.99
  text "2A" at 7350.17,5303.79 h62.99
  text "UPDATE" at 7665.13,5303.79 h62.99
  text "XXX" at 10775.36,5303.79 h62.99
  text "Layer" at -2635.8,-1319 h60
  text "Name" at -2225.89,-1319 h60
  text "Material" at -1296.15,-1319 h60
  text "Thickness" at -436.38,-1319 h60
  text "Constant" at 213.46,-1319 h60
  text "Board Layer Stack" at 783.32,-1319 h60
  text "Top Overlay" at -2225.89,-1439 h60
  text "Top Solder" at -2225.89,-1559 h60
  text "Solder Resist" at -1296.15,-1559 h60
  text "0.40mil" at -436.38,-1559 h60
  text "3.5" at 213.46,-1559 h60
  text "1" at -2635.8,-1679 h60
  text "Top Layer" at -2225.89,-1679 h60
  text "Copper" at -1296.15,-1679 h60
  text "1.40mil" at -436.38,-1679 h60
  text "Dielectric1" at -2225.89,-1799 h60
  text "FR-4" at -1296.15,-1799 h60
  text "16.54mil" at -436.38,-1799 h60
  text "4.8" at 213.46,-1799 h60
  text "2" at -2635.8,-1919 h60
  text "GND" at -2225.89,-1919 h60
  text "Copper" at -1296.15,-1919 h60
  text "1.42mil" at -436.38,-1919 h60
  text "Dielectric7" at -2225.89,-2039 h60
  text "5.00mil" at -436.38,-2039 h60
  text "4.2" at 213.46,-2039 h60
  text "3" at -2635.8,-2159 h60
  text "Mid-Layer 1" at -2225.89,-2159 h60
  text "Copper" at -1296.15,-2159 h60
  text "1.40mil" at -436.38,-2159 h60
  text "Dielectric2" at -2225.89,-2279 h60
  text "FR-4" at -1296.15,-2279 h60
  text "10.00mil" at -436.38,-2279 h60
  text "4.2" at 213.46,-2279 h60
  text "4" at -2635.8,-2399 h60
  text "Mid-Layer 2" at -2225.89,-2399 h60
  text "Copper" at -1296.15,-2399 h60
  text "1.40mil" at -436.38,-2399 h60
  text "Dielectric3" at -2225.89,-2519 h60
  text "5.00mil" at -436.38,-2519 h60
  text "4.2" at 213.46,-2519 h60
  text "5" at -2635.8,-2639 h60
  text "PWR" at -2225.89,-2639 h60
  text "Copper" at -1296.15,-2639 h60
  text "1.42mil" at -436.38,-2639 h60
  text "Dielectric8" at -2225.89,-2759 h60
  text "FR-4" at -1296.15,-2759 h60
  text "10.00mil" at -436.38,-2759 h60
  text "4.2" at 213.46,-2759 h60
  text "6" at -2635.8,-2879 h60
  text "Bottom Layer" at -2225.89,-2879 h60
  text "Copper" at -1296.15,-2879 h60
  text "1.40mil" at -436.38,-2879 h60
  text "Bottom Solder" at -2225.89,-2999 h60
  text "Solder Resist" at -1296.15,-2999 h60
  text "0.40mil" at -436.38,-2999 h60
  text "3.5" at 213.46,-2999 h60
  text "Bottom Overlay" at -2225.89,-3119 h60
  text "TINYVISION.AI INC" at 7056.95,-3245.53 h100
  text "METRIC [ INCH ]" at 5077.65,-3323.69 h142.99
  text "5621 Palmer Way, Suite A" at 7062.85,-3447.5 h75
  text "DO NOT SCALE DRAWING" at 5262.69,-3599.67 h67.4
  text "Carlsbad, CA 92010" at 7062.85,-3622.5 h75
  text "APPROVALS" at 5267.41,-3921.26 h67.4
  text "DATE" at 6365.84,-3921.26 h67.4
  text "PWB, TINYMODULE" at 7035.21,-3952.12 h196.85
  text "DRAWN" at 4994.97,-4150.86 h67.4
  text "31-MAY-2019" at 6128.83,-4225.66 h67.4
  text "DWG. NO." at 8495.76,-4460.63 h67.4
  text "REV" at 10731.98,-4464.57 h67.4
  text "CHECK" at 4994.97,-4465.82 h67.4
  text "A3" at 6904.42,-4583.93 h160
  text "TINYMODULE" at 8489.02,-4594.67 h100
  text "2A" at 10913.08,-4626.01 h100
  text "ISSUED" at 4975.29,-4765.03 h67.4
  text "SHEET    1     OF     1" at 9834.34,-4818.26 h67.4
  text "CAD:" at 7875.76,-4826.13 h59.06
  text "TINYMODULE-2A" at 8361.98,-4826.13 h59.06
AssemTOP:
  circle w10: c59.06,236.22 r3.94
  circle w10: c200.79,118.11 r3.94
  circle w10: c637.8,141.73 r3.94
  circle w10: c637.8,291.34 r3.94
  circle w10: c512.21,740.16 r3.94
  circle w10: c574.8,870.08 r3.94
  circle w10: c208.66,738.19 r3.94
  circle w10: c330.32,682.68 r3.94
  lines w1.97: 222.44,726.38 238.58,726.38 238.58,752.36 222.44,752.36
Drill Drawing:
  lines w10: 2895.39,-2013.33 2962.06,-2013.33 2928.73,-2080 2895.39,-2013.33 ; 2895.39,-1913.33 2912.06,-1913.33 2912.06,-1930 2945.39,-1930 2945.39,-1913.33 2962.06,-1913.33 2962.06,-1880 2945.39,-1880 2945.39,-1863.33 2912.06,-1863.33 2912.06,-1880 2895.39,-1880 2895.39,-1913.33 ; 2895.39,-1763.33 2912.06,-1763.33 2928.73,-1780 2945.39,-1763.33 2962.06,-1763.33 2945.39,-1746.67 2962.06,-1730 2945.39,-1730 2928.73,-1713.33 2912.06,-1730 2895.39,-1730 2912.06,-1746.67 2895.39,-1763.33 ; 2895.39,-1630 2962.06,-1630 2962.06,-1563.33 2895.39,-1563.33 2895.39,-1630 ; 2895.39,-1480 2928.73,-1463.33 2962.06,-1480 2945.39,-1446.67 2962.06,-1413.33 2928.73,-1430 2895.39,-1413.33 2912.06,-1446.67 2895.39,-1480
  lines w15: 2835.6,-2125 9549.76,-2125 ; 2835.6,-1375 9549.76,-1375 ; 3386.48,-2275 3386.48,-1225 ; 3986.32,-2275 3986.32,-1225 ; 5086,-2275 5086,-1225 ; 5591.88,-2275 5591.88,-1225 ; 6325.68,-2275 6325.68,-1225 ; 7825.23,-2275 7825.23,-1225 ; 8415.08,-2275 8415.08,-1225 ; 2835.6,-2275 9549.76,-2275 9549.76,-1225 2835.6,-1225 2835.6,-2275
  text "Count" at 3431.48,-1330 h72
  text "Hole Size" at 4031.32,-1330 h72
  text "Plated" at 5131,-1330 h72
  text "Hole Type" at 5636.88,-1330 h72
  text "Drill Layer Pair" at 6370.68,-1330 h72
  text "Via/Pad" at 7870.23,-1330 h72
  text "Pad Shape" at 8460.08,-1330 h72
  text "30" at 3431.48,-1480 h60
  text "7.87mil (0.200mm)" at 4031.32,-1480 h60
  text "PTH" at 5131,-1480 h60
  text "Round" at 5636.88,-1480 h60
  text "Top Layer - Bottom Layer" at 6370.68,-1480 h60
  text "Via" at 7870.23,-1480 h60
  text "Rounded" at 8460.08,-1480 h60
  text "232" at 3431.48,-1630 h60
  text "7.87mil (0.200mm)" at 4031.32,-1630 h60
  text "PTH" at 5131,-1630 h60
  text "Round" at 5636.88,-1630 h60
  text "Top Layer - Bottom Layer" at 6370.68,-1630 h60
  text "Via" at 7870.23,-1630 h60
  text "Rounded" at 8460.08,-1630 h60
  text "30" at 3431.48,-1780 h60
  text "23.62mil (0.600mm)" at 4031.32,-1780 h60
  text "PTH" at 5131,-1780 h60
  text "Round" at 5636.88,-1780 h60
  text "Top Layer - Bottom Layer" at 6370.68,-1780 h60
  text "Pad" at 7870.23,-1780 h60
  text "Rounded Rectangle" at 8460.08,-1780 h60
  text "1" at 3431.48,-1930 h60
  text "40.00mil (1.016mm)" at 4031.32,-1930 h60
  text "NPTH" at 5131,-1930 h60
  text "Round" at 5636.88,-1930 h60
  text "Top Layer - Bottom Layer" at 6370.68,-1930 h60
  text "Pad" at 7870.23,-1930 h60
  text "Rounded" at 8460.08,-1930 h60
  text "2" at 3431.48,-2080 h60
  text "85.00mil (2.159mm)" at 4031.32,-2080 h60
  text "PTH" at 5131,-2080 h60
  text "Round" at 5636.88,-2080 h60
  text "Top Layer - Bottom Layer" at 6370.68,-2080 h60
  text "Pad" at 7870.23,-2080 h60
  text "Rounded" at 8460.08,-2080 h60
  text "295 Total" at 3431.48,-2230 h60

## Text inside footprints (layer, text, board x,y; h text height)
P1: Top Overlay "13" at 324,1141.58 h50; Top Overlay "24" at 496.95,1147 h50; Top Overlay "12" at 244,992 h50; Top Overlay "1" at 589,998 h50
P2: Bottom Overlay "1" at 599,400 h50; Bottom Overlay "2" at 265.05,399 h50; Bottom Overlay "29" at 616.05,113.53 h50; Bottom Overlay "30" at 265,113.58 h50
TP1: 3DModelsBot "Symbol" at 2925.6,-1330 h72